# KiCad board Rogelio Pineda 2;12 AM-AMLDC-2044B.kicad_pcb (continued)
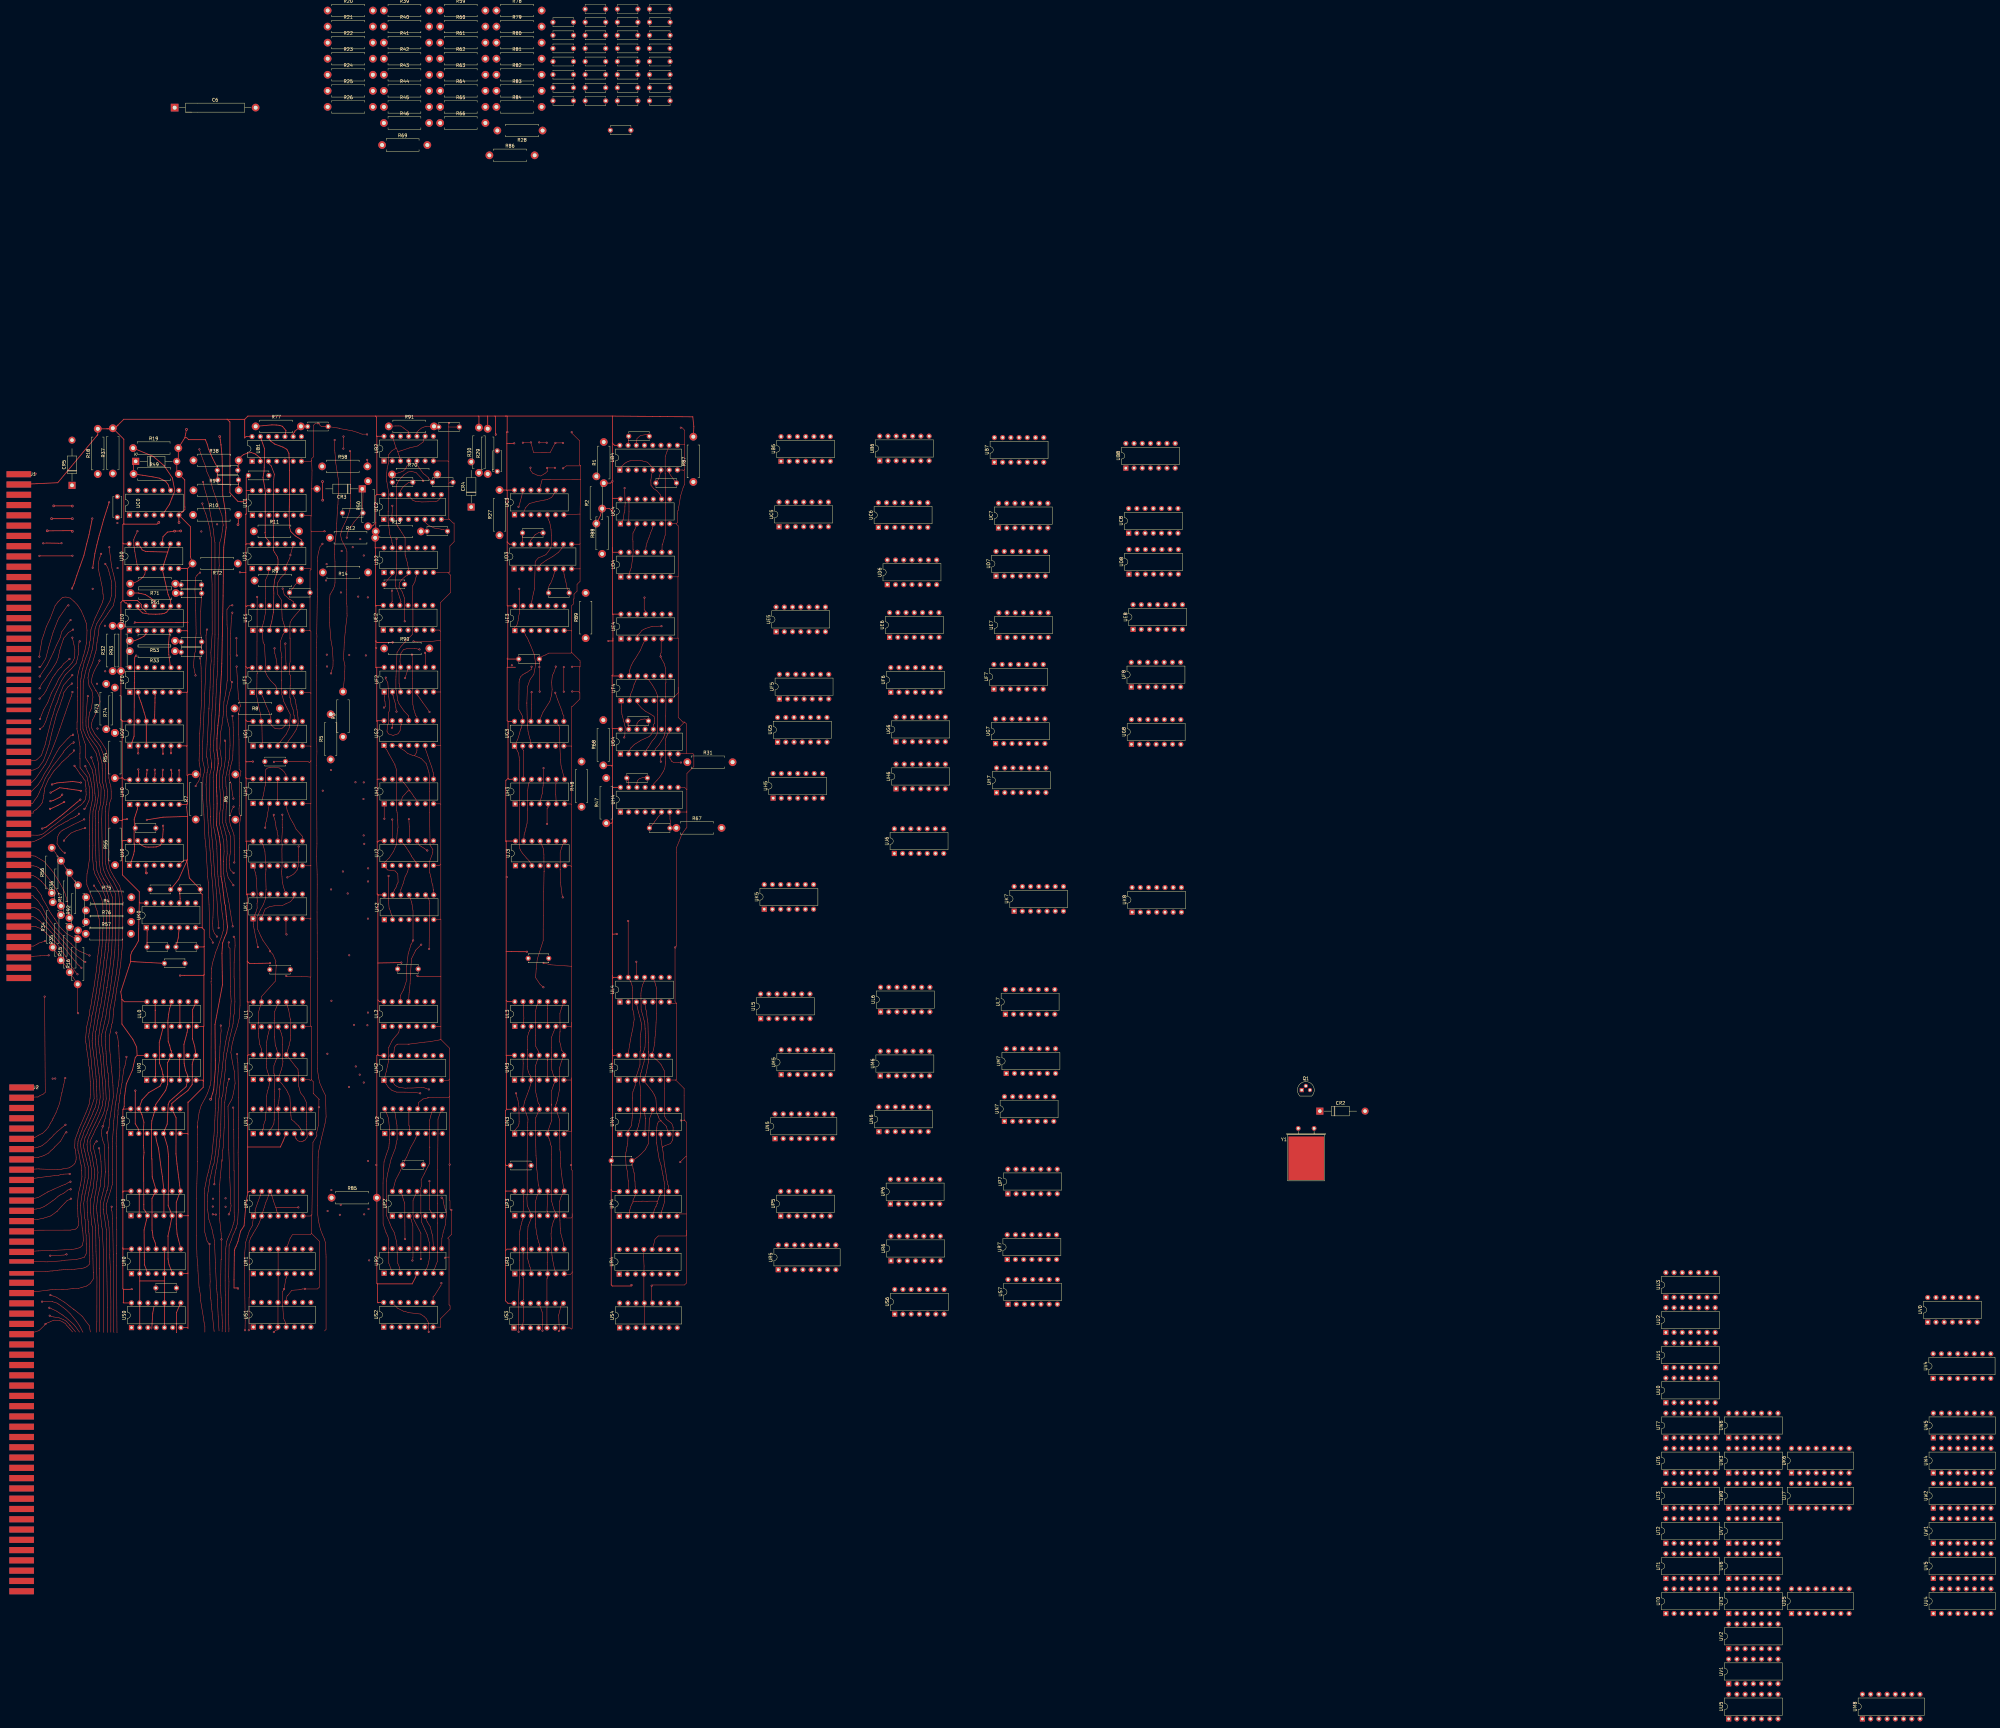
[diagram p0: board, top side]
## Routing (per net, layer and track width the routed paths; a pad name or vN(x,y) marks a point on that pad's centre or on a via; arc(x,y) is an arc through that point) (continued)
B4p1: length 23.8
  Top w0.15: UC4.9 273.81,378.06 272.78,379.27 271.83,379.88 270.96,380.95 270.92,382.53 271.15,384.16 UB4.5 271.5,386.36 269.87,388.08 268.24,388.49 267.64,388.57 264.49,388.51 263.95,388.34 263.52,388.12 262.97,387.82 262.67,387.57 262.52,387.37 261.72,386.71 261.72,386.05 UB4.1 261.34,386.13
B4p6: length 4.4
  Top w0.15: C42.1 273.17,382.68 273.57,383.64 UB4.6
B4p7: length 4.8
  Top w0.15: C42.2 278.1,382.57 276.64,384.61 UB4.7
B4p10: length 33.4
  Top w0.15: UB4.10 275.91,391.4 275.35,389.75 275.32,384.56 275.35,384.54 275.35,380.55 275.37,380.52 275.37,375.11 275.35,365.59 274.98,364.32 274.53,362.73 274.4,362.55 UD4.9
B4p14: length 6.5
  Top w0.15: C41.2 269.67,396.65 267.68,396.3 266.63,395.39 266.43,393.3 UB4.14
B4p15: length 2.9
  Top w0.15: 264.12,396.05 C41.1 264.08,393.49 UB4.15
B15: length 17.4
  Top w0.15: 90.47,181.24 90.44,181.2 v1(90.44,181.16) 90.4,181.16 89.97,180.73 88.65,178.42 86.8,176.6 86.46,176.15 86.04,175.78 85.56,175.39 84.95,174.75 83.5,173.96 81.73,173.41 77.11,173.28 J2.15
B19: length 15.2
  Top w0.15: 91.67,168.29 v1(91.48,168.29) 91.21,168.29 89.67,168.24 88.55,168.04 88,167.87 86.83,167.77 85.48,167.61 84.22,167.45 81.68,167.12 J2.19
B23: length 16.5
  Top w0.15: 84.68,162.72 86.62,163.61 89.15,164.75 90.04,165.05 90.98,165.59 v1(91.71,165.9) 91.71,165.94 ; J2.23 81.65,160.98 82.75,161.59 83.64,162.11 84.82,162.81
B25: length 17.2
  Top w0.15: J2.25 81.17,157.47 82.33,157.71 83.53,158.18 ; 91.9,163.62 91.83,163.62 v1(91.75,163.54) 91.67,163.62 90.88,163.32 89.91,162.55 89.41,162.22 88.75,161.9 88.23,161.65 87.81,161.3 87.05,160.62 86.26,160.04 84.42,158.75 83.51,158.18
B27: length 17.6
  Top w0.15: 87.65,156.82 87.37,156.62 85.6,155.32 83.38,154.63 81.6,154.26 J2.27 ; 87.56,156.75 89.15,158.49 89.91,159.27 90.11,159.49 90.63,160.01 v1(91.83,160.64) 91.9,160.68
C0p5: length 28.2
  Top w0.25: UC0.5 122.28,375.09 123.01,376.97 123.93,379.19 123.18,383.19 120.63,386.99 117.29,389.85 R19.1
C0p9: length 17.6
  Top w0.25: 122.64,379.37 122.17,380.14 121.93,381.04 121.23,381.99 120.78,382.34 119.18,383.14 117.18,383.54 114.03,384.04 R49.1 111.18,387.69 CR1.1
C2p2: length 4.3
  Top w0.15: UC2.2 190.98,371.88 191.04,372.58 191.1,374.49 191.08,374.51 v1(191.08,374.62) 190.97,374.62 190.95,374.64
C2p6: length 8.5
  Top w0.15: C15.2 206.91,367.29 206.27,367.38 203.96,367.76 202.22,368.64 201.61,369.17 201.14,369.63 UC2.6
C2p13: length 12.3
  Top w0.15: UC2.13 196.06,377.68 197.42,376.32 198.21,376 199.05,375.93 200.12,375.8 202.08,375.84 204.42,375.91 205.1,376.14 205.82,376.91 UC2.9
C2p14: length 6.2
  Top w0.15: C29.2 196.15,381.87 194.55,380.58 194.09,380.06 193.52,379.1 UC2.14
C3p5: length 30.9
  Top w0.15: UC3.5 239.21,370.47 239.68,369.58 240.1,367.35 240.19,365.37 240.19,362.79 240.21,362.76 240,361.46 238.51,359.53 236.14,358.5 235.21,357.43 235,348.98 234.67,347.68 234.35,346.12 234.18,345.21 233.99,344.56 UE3.12
C3p9: length 13.8
  Top w0.15: UC3.2 231.9,373.2 232.21,374 233.39,375.31 235.66,375.93 238.92,376.55 240.29,377.23 240.94,378.17 UC3.9
C3p13: length 5.6
  Top w0.15: 230.1,374.28 230.04,374.22 v1(230.04,374.31) 230.13,374.31 230.47,375.46 230.94,377.23 231.06,377.61 UC3.13
C4p1: length 11.5
  Top w0.15: UC4.1 261.53,369.5 262.39,370.44 262.67,372.42 262.89,373.09 262.91,374.5 262.98,375.26 v1(262.81,380.07) 262.81,380.13 262.85,380.17
C4p3: length 16.8
  Top w0.15: UD4.2 264.47,354.46 264.89,355.57 265.22,357.97 265.35,358.71 265.47,361.14 265.39,361.22 265.39,363.58 265.35,364.21 265.39,366.2 265.98,367.29 UC4.3
C4p5: length 9.2
  Top w0.15: UC4.5 271.35,367.5 270.9,366.41 270.39,364.95 269.77,363.39 269.45,362.16 UD4.11
C4p13: length 7.6
  Top w0.15: UC4.13 264.15,375.8 264.17,372.79 UC4.2
C31p2: length 3.2
  Top w0.25: C31.2 143.58,379.46 R94.2
C58p1: length 1.9
  Top w0.25: C58.1 125.48,350.54 R71.1
C58p2: length 20.8
  Top w0.15: C58.2 132.18,347.64 C59.2 132.12,345.88 131.92,341.89 131.92,335.28 C60.2 132.09,331.41 132.09,330.72 C61.2
C59p1: length 1.7
  Top w0.25: C59.1 125.78,347.69 R51.1
D0p2: length 12
  Top w0.2: UD0.2 112.38,355.94 112.1,357.36 111.58,360.44 111.28,362.4 111.25,364.23 111.53,364.98 v1(112.39,366.78) 112.48,366.81
D0p3: length 7.5
  Top w0.2: UD0.3 114.66,353.5 114.15,352.68 113.46,352.05 112.74,351.53 111.37,350.81 110.49,350.91 R71.2
D0p9: length 43
  Top w0.25: UD0.13 113.23,362 113.83,360.99 114.98,360.49 121.73,360.34 ; 121.73,360.34 UD0.9 ; 121.73,360.34 121.28,358.94 120.53,356.59 120.39,355.62 UD0.5 121.88,347.14 122.43,345.89 122.58,345.34 122.64,345.29 122.64,343.66 122.03,342.59 121.43,341.79 120.68,341.39 119.93,341.24 119.18,341.19 118.03,341.14 115.88,341.19 113.93,341.54 112.48,343 112.48,343.66
D0p10: length 8.4
  Top w0.25: UD0.10 120.28,365.09 121.63,366.49 v2(123.83,366.79) 123.93,366.79 v2(125.73,366.84) 125.78,366.84
D1p3: length 40.1
  Top w0.15: UF1.4 155.23,318.66 154.9,319.22 154.84,319.32 154.44,319.68 153.52,320.6 152.53,321.95 151.78,323.53 151.84,325.34 151.94,325.44 151.61,331.66 151.18,332.54 150.89,335.83 UE1.2 151.38,338.83 151.91,341.59 151.88,346 151.84,348.99 151.94,351.65 152.92,353.98 UD1.3
D1p9: length 66.2
  Top w0.15: 155.71,300.72 158.32,304.12 159.34,306.23 159.57,310.21 158.35,312.58 157.96,313.41 157.58,314.15 157.19,315.69 156.92,316.47 156.92,320.57 156.91,320.57 156.92,320.99 156.92,327.82 157,327.9 156.49,330.75 156.49,332.68 157.29,334.79 UE1.5 157.55,338.32 157.06,339.86 156.87,345.46 155.69,347.32 155.46,349.34 155.72,350.88 156.55,352.32 158,353.77 UD1.5 158.6,356.81 159.41,358.48 v1(159.62,359.41) UD1.9
D2p2: length 4.6
  Top w0.15: C44.1 190.07,352.29 191.07,353.29 UD2.2
D2p4: length 56.7
  Top w0.15: 193.52,367.15 192.65,368.41 192.47,368.88 192.42,368.92 192.42,381.16 192.69,381.69 193,382.33 194.02,383.51 194.16,383.64 194.68,384.19 195.92,385.04 197.03,385.23 198.44,384.86 200.75,382.44 v1(200.63,382.27) 200.75,382.25 ; 194.95,338.86 194.93,338.88 v1(194.93,338.94) 194.86,338.94 194.84,338.96 194.84,346.11 194.49,347 194.18,347.97 193.17,349.54 193.27,350.8 193.93,351.79 195.21,352.91 195.88,353.2 195.88,353.75 UD2.4 196.06,354.11 196.06,355.14 195.86,356.3 195.71,357.15 195.36,358.26 195.13,359.34 195.03,359.44 195.03,364.69 194.06,366.28 193.46,367.21
D2p5: length 49.2
  Top w0.15: 195.03,332.56 193.79,331.24 192.53,329.27 192.22,321.79 192.19,321.05 192.19,317.92 192.35,317.48 192.74,314.56 193.16,313.46 194.69,311.25 196.15,309.7 UG2.11 ; 195.03,332.56 197.23,334.84 197.44,337.42 197.44,343.12 197.39,343.75 197.41,349.91 198.18,351.42 ; 195.03,332.56 195,332.43 ; 198.07,351.39 198.52,352.97 UD2.5
D3p6: length 7.9
  Top w0.15: UD3.6 240.89,352.96 239.96,350.61 239.61,350.19 239.14,348.87 C27.1
D3p7: length 7.7
  Top w0.15: C27.2 245.01,349.4 244.68,351.08 244.31,352.59 244.12,353.43 UD3.7
D3p10: length 11.2
  Top w0.15: UD3.10 243.42,361.46 242.38,360.25 240.63,358.97 238.65,357.83 236.88,356.57 UD3.4
D3p14: length 6.1
  Top w0.15: C25.2 236.28,366.33 235.12,365.64 ; UD3.14 233.76,363.93 235.2,365.69
D3p15: length 3.5
  Top w0.15: UD3.15 231.22,363.77 231.27,364.14 C25.1
DCHI: length 244.4
  Top w0.15: v1(102.46,356.67) 103.17,355.61 103.57,354.38 104.39,351.14 104.41,349.86 104.45,349.34 104.42,349.04 104.39,347.05 103.93,345.25 101.37,340.73 99.86,338.32 99.33,336.84 98.88,333.56 98.57,330.95 98.5,330.57 98.37,330.02 97.76,327.92 97.44,326.84 97,325.5 96.45,323.74 95.65,320.22 95.53,307.8 95.57,305.68 96.66,303.08 96.86,302.85 97.07,302.44 99.62,298.23 100.16,296.04 100.36,294.88 100.68,289.23 101.17,287.81 101.06,283.03 100.43,280.16 100.43,276.86 100.37,276.8 100.54,266.61 100.57,264.87 101.05,261.35 102.04,259.34 101.96,259.45 103.22,257.57 104.58,253.85 104.72,253.6 104.72,251.1 ; 104.72,251.19 104.75,248.43 104.74,248.06 104.59,241.64 104.45,237.69 104.17,234.7 104.01,233.21 103.73,230.82 103.62,230.31 103.27,227.91 102.96,225.87 102.98,225.96 102.79,224.7 102.52,222.9 101.97,219.49 101.76,218.5 101.45,216.6 101.16,215.5 100.95,214.52 100.49,211.07 100.37,209.12 100.43,208.4 100.7,205.88 100.96,204.57 101.18,202.05 101.3,199.82 101.65,196.38 101.79,193.24 101.79,191.18 101.6,190.49 101.53,189.37 100.77,187.27 100.04,185.44 99.48,184.23 98.53,182.32 97.48,180.1 96.91,178.46 96.82,177.35 96.98,175.56 97.62,173.14 97.74,172.4 97.82,171.81 97.99,170.97 98.16,169.86 98.11,166.91 97.94,165.52 97.34,162.44 96.82,159.83 96.95,156.4 96.98,156.37 97.11,154.11 97.18,153.65 97.38,151.15 97.36,150.45 97.44,149.77 97.61,145.81 97.58,143.17 97.68,141.35 97.5,140.36 96.75,139.65 95.9,139.29 95.1,139.11 92.86,138.85 92.12,138.81 90.79,138.69 90.13,138.7 89.53,138.71 89.02,138.66 88.23,138.63 87.7,138.53 86.3,138.36 86.26,138.33 85.68,138.34 84.58,138.21 83.99,138.17 77.18,138.17 J2.37
DCHO: length 238.1
  Top w0.15: 102.16,234.93 102.44,237.59 102.54,238.59 102.66,239.67 102.78,241.3 102.8,241.73 102.8,247.14 102.78,247.7 102.74,248.75 102.75,252.61 102.49,253.88 101.17,257.18 100.77,258.07 100.4,258.66 100,259.53 99.24,260.93 98.9,262.3 98.86,262.49 98.53,266.01 98.64,269.62 98.53,273.78 98.53,274.37 98.56,274.95 98.65,280.24 98.72,280.67 99.07,281.92 99.22,282.29 99.37,283.87 99.37,284.66 99.24,285.92 ; 99.24,285.82 99.08,288.62 98.98,289.3 98.8,291.35 98.57,292.25 98.39,293.15 97.36,295.23 96.86,295.95 96.26,297.02 96.29,300.95 96.07,301.57 95.5,303.26 95.14,304.59 94.78,305.62 94.8,320.45 94.95,321.25 95.22,323.34 95.53,324.47 95.91,326.19 97.02,329.27 97.43,330.93 97.56,331.59 97.56,332.42 97.78,332.99 97.85,334.31 98.04,336.45 99.33,340.01 99.73,340.79 100.59,342.64 100.89,343.33 101.65,344.91 101.71,345.38 101.89,345.94 101.79,347.22 101.71,347.63 101.65,348.82 101.25,350.7 100.76,353.1 100.62,353.55 100.4,354.85 100.28,356.7 100.66,358.39 100.83,358.81 101.18,359.76 v1(101.16,359.78) 101.18,359.81 101.18,359.84 ; J2.33 81.82,144.54 85.97,144.67 89.74,144.85 92.01,144.95 93.35,145.17 93.65,145.27 94.64,145.55 95.38,146.25 95.69,147.79 95.51,150.76 95.32,151.59 94.89,156.53 94.8,158.51 95.27,162.04 95.69,164.03 96,165.92 96.21,167.12 96.22,170.28 95.06,175.42 94.78,177.51 94.96,178.59 95.55,180.07 95.94,181.49 96.63,182.67 97.15,183.82 97.8,185.29 98.44,186.7 98.7,187.48 98.99,188.17 99.35,188.88 99.9,191.2 99.86,192.15 99.87,192.66 99.79,194.18 99.79,195.2 99.78,195.36 99.72,196.72 99.63,197.54 99.59,198.38 99.02,204.11 98.62,206.88 98.55,207.43 98.42,208.76 98.39,209.41 98.47,210.19 98.48,210.99 99.55,218.06 99.96,220.39 100.37,222.6 100.8,225.44 101.23,228.25 101.5,229.96 101.64,230.66 102.05,234.26 102.18,235.12
DISK0 ACT: length 35.1
  Top w0.15: 92.43,317.24 v1(92.31,317.12) 91.94,315.77 91.15,313.64 90.04,310.42 89.35,308.45 88.43,305.76 87.11,302.07 86.43,300.34 85.52,298.06 83.99,294.83 83.72,294.48 83.29,293.79 80.92,290.37 79.68,289.12 J1.61
DISK1: length 28.5
  Top w0.15: 87.68,242.3 86.32,243.66 86.15,243.95 85.8,244.4 84.51,245.96 84.18,246.33 83.89,246.73 83.53,247.41 82.93,248.45 82.42,249.26 81.97,249.77 81.82,249.89 80.66,250.57 76.02,250.75 J1.85 ; 87.6,242.38 88.87,240.8 89.24,240.45 89.85,239.76 90.23,239.28 91.07,238.33 91.69,237.61 92.08,237.22 93.64,235.67 95.02,234.55 95.51,234.12 v1(96.28,233.73) 96.39,233.84
DISK2: length 26.7
  Top w0.15: R16.2 92.22,241.52 90.43,242.55 89.07,243.91 88.27,244.78 87.54,246.01 86.7,247.29 ; 83.84,252.04 83.06,253.29 82.71,254.32 81.91,255.4 81.58,255.8 81.11,256.55 80.23,257.12 J1.81 ; 83.89,251.94 84.37,251.11 85.14,249.61 85.92,248.36 86.95,246.94
DISK NEW REQ: length 34.7
  Top w0.15: J1.59 75.78,292.26 80.35,293.05 81.82,293.76 83.35,295.87 84.24,298.25 85.11,300.93 85.86,304.24 86.16,305.42 87.42,310.22 88.34,312.61 88.97,314.63 89.3,315.4 89.69,316.97 90.86,318.62 v1(92.13,319.73) 92.13,319.79
DISK PRES REQ: length 34.5
  Top w0.15: J1.57 79.94,295.9 80.52,295.92 81.28,296.16 82.74,297.58 83.21,298.94 83.87,300.8 84.35,302.84 85.9,308.9 86.35,310.26 86.8,311.81 87.14,312.91 87.56,313.76 88.03,315.15 88.35,316.16 89.54,319.17 90.15,319.87 90.43,320.2 91.14,321.05 91.4,321.3 92.26,322.29 v1(92.26,322.31) 92.29,322.31 92.3,322.32
DISK WR DATA: length 62.8
  Top w0.15: 92.56,304.06 92.56,304 v1(92.5,303.94) 92.56,303.88 92.56,303.75 92.16,303.72 91.64,303.53 91.25,303.06 90.92,302.81 88.42,300.08 88.09,299.56 87.52,298.63 86.57,296.95 85.1,294.13 83.69,291.97 82.83,290.24 81.68,288.45 79.18,285.94 J1.63 ; 95.8,283.2 95.04,282.31 94.82,282.15 94.28,281.78 91.67,279.81 90.86,279.25 89.75,278.42 87.67,276.76 85.9,275.45 85.42,275.1 83.39,273.41 82.62,273.06 82.11,272.95 81.39,272.89 76,273 J1.71 ; 95.7,283.1 96.05,283.45 96.25,283.88 96.55,285.36 96.5,286.48 96.47,286.92 96.53,287.26 96.44,287.96 96.41,288.39 96.23,289.74 95.82,290.25 95.46,290.86 95.12,291.3 94.69,291.77 94.57,291.99 93.58,293.47 93.23,293.94 v1(92.95,294.32) 92.88,294.25
DSK SEL: length 28.8
  Top w0.15: J1.67 75.89,279.72 80.18,279.72 80.18,280.22 81.19,280.89 ; 92.76,299.19 v1(92.79,299.07) 92.47,298.55 91.89,298.01 91.7,297.95 91.51,297.8 91.12,297.31 89.64,295.95 89.07,295.48 88.23,294.48 86.64,292.8 85.78,291.52 85.37,290.8 84.95,290.27 83.66,287.29 83.65,286.55 83.53,285.7 83.46,285.11 ; 81.15,280.84 82.36,282.06 82.87,282.76 83.05,283.09 83.3,284.28 83.47,285.2
DSK ~{RST}: length 28.1
  Top w0.15: 91,250.29 90.69,252.34 90.38,253.71 89.94,255.26 88.7,257.65 88.3,258.38 87.6,259.45 86.84,260.79 86.66,261.04 85.78,262.2 84.62,263.55 83.61,264.77 80.79,266.43 80.28,266.5 J1.75 ; 90.97,250.49 91.05,249.67 91.11,249.24 R17.1
E0p3: length 6.7
  Top w0.25: R53.2 111.51,332.96 113.44,333.8 114.43,334.36 115.02,334.95 UE0.3
E0p6: length 11.6
  Top w0.25: UF0.9 122.47,325.61 122.08,328.64 122,330.39 121.99,331.83 122.29,335.69 122.64,336.04
E0p11: length 9.6
  Top w0.25: 117.56,343.66 117.56,345.35 117.22,345.54 116.34,346.26 114.78,347.23 112.82,347.65 112.78,347.69 R51.2
E1p8: length 37.5
  Top w0.15: UG1.9 160.79,309.8 160.74,309.85 160.45,311.61 159.84,313.21 159.55,315.21 159.46,315.31 159.46,317.52 159.53,317.59 159.53,319.02 159.62,319.11 159.62,322.3 159.42,322.5 159.42,325.86 159.53,326.46 159.53,333.69 159.46,333.76 159.49,333.78 159.49,336.25 159.46,337.63 159.53,338.58 160.06,339.5 160.76,340.43 162.92,342.89 162.92,343.4 UE1.8
E1p9: length 6.9
  Top w0.15: UE1.9 160.59,343.91 160.59,344.94 159.57,345.7 159.28,345.77 158.39,346.62 157.73,347.12 v1(157.24,349.06) 157.2,349.02
E2p12: length 21.2
  Top w0.15: UE2.12 193.4,344.61 193.78,344.99 193.32,346.41 192.76,348.22 192.01,349.9 191.99,351.57 192.37,354.06 192.35,356.06 192.39,356.62 v1(192.39,364.43) 192.44,364.52
E2p13: length 4.7
  Top w0.15: UE2.13 190.86,344.82 191.06,345.02 191.02,345.06 v1(190.98,348.43) 191.02,348.47
E3p1: length 13.4
  Top w0.15: 230.38,348.95 v1(230.27,348.98) 230.3,341.44 229.99,339.81 229.92,339.09 229.48,337.58 228.91,337.2 UE3.1
E3p2: length 37.5
  Top w0.15: UG3.3 233.64,302.43 233.43,303.1 233,304.93 232.79,306.85 232.76,307.23 232.64,312.97 232.64,313.83 ; UE3.2 231.93,335.62 232.16,334.71 232.81,333.71 233.19,332.85 233.85,331.36 234.96,328.57 235.35,325.61 234.78,322.59 233.63,321 232.8,318.67 232.62,313.52
E4p3: length 9.5
  Top w0.15: UE4.3 266.76,334.71 267.47,335.25 268.15,336.12 268.66,336.44 269.34,336.75 271.27,337.37 273.84,337.45 v1(274.2,337.44) 274.22,337.46
E4p4: length 12.7
  Top w0.15: UF4.13 264.27,323.48 264.35,323.83 264.8,325.18 265.49,326.55 266.2,327.56 267.65,329.97 268.48,331.92 UE4.4
E4p6: length 37.1
  Top w0.15: UE4.6 274.1,333.26 274.1,329.31 273.99,328.94 273.95,328.86 273.95,328.11 v1(273.93,328.08) 273.95,328.06 274.23,327.36 275,325.96 275.43,324.5 275.51,322.79 275.58,320.02 275.43,319.77 275.45,316.72 275.58,314.43 275.51,309.95 275.45,309.43 275.45,306.56 275.4,305.24 275.32,304.8 275.09,304 275.04,303.58 274.79,302.94 273.51,300.94 272.37,299.54 UG4.5
E4p11: length 5.6
  Top w0.15: UE4.11 269.3,342.06 268.86,342.5 268.86,346.27 v1(268.95,346.27) 268.95,346.36 269.03,346.44
F0p2: length 17
  Top w0.25: UG0.3 UG0.12 114.97,308.25 114.94,309.18 114.44,310.88 113.5,313.89 112.92,315.41 UF0.2
F0p4: length 9
  Top w0.25: UG0.11 117.8,313.77 117.8,315.11 117.83,315.48 117.84,316.05 UF0.4
F1p2: length 17.3
  Top w0.15: UF1.2 150.98,315.83 151.6,314.32 152.2,312.76 152.97,311.01 153.6,309.06 UG1.12 153.77,306.83 154.9,305.8 156.27,305.71 157.03,305.91 157.65,306.42 158.03,306.85 158.26,308.04 UG1.10
F1p6: length 17.8
  Top w0.15: UF1.6 160.54,316.09 161.14,314.71 161.36,313.15 161.49,312.51 161.65,311.63 161.75,310.91 161.97,309.09 161.98,308.66 161.98,307.33 162.01,307.3 161.46,305.61 160.99,304.79 159.98,303.26 159.42,302.57 158.56,301.33 UG1.5
F1p10: length 7.9
  Top w0.15: UF1.10 158.26,324.87 158.26,325.91 157.94,331.78 158.15,332.09 v1(158.07,332.09) 158.07,332.17 158.11,332.13
F1p11: length 6.1
  Top w0.15: 154.75,330.64 v1(154.71,330.6) 154.79,329.09 155.18,327.54 155.46,325.88 UF1.11
F2p1: length 5.2
  Top w0.15: UF2.1 188.64,315.88 188.75,315.64 188.75,314.38 188.83,314.17 188.93,312.62 188.64,312.33 v1(188.51,312.33) 188.51,312.2
F2p2: length 6.5
  Top w0.15: UF2.2 191.12,316.29 191.32,316.09 191.32,315.96 191.61,314.85 192.08,313.33 192.16,312.43 192.35,311.09 v1(192.37,311.07) 192.35,311.04 192.35,310.91
F2p3: length 18.7
  Top w0.15: UF2.3 193.35,318.95 193.16,319.82 193.16,324.25 UF2.12 193.45,326.62 193.5,327.62 193.66,328.38 193.66,328.38 193.77,329.14 194.5,330.17 195.5,330.48 198.02,330.59 v1(199.47,330.27) 199.49,330.3
F2p5: length 7.6
  Top w0.15: UF2.5 198.74,316.18 199.05,315.88 199.73,314.96 200.41,313.98 202.54,311.04 202.54,310.99 v1(202.57,310.96) 202.54,310.94 202.54,310.83
F2p9: length 4.8
  Top w0.15: 201.23,329.46 201.28,329.4 201.28,329.33 v1(201.17,329.22) 201.28,329.11 UF2.9
F2p11: length 3.7
  Top w0.15: 195.08,321.37 v1(195.03,321.39) 195.76,323.73 195.76,324.31 UF2.11
F4p1: length 11.5
  Top w0.15: v1(262.7,303.09) 262.89,303.7 262.98,306.36 262.58,307.95 262.17,309.48 261.98,310.24 261.81,312 261.79,312.63 UF4.1
F4p3: length 23
  Top w0.15: UF4.3 266.81,313.56 267.68,312.54 268.02,312.17 268.61,311.68 269.21,311.19 270.65,310.37 271.62,309.77 271.97,309.42 272.11,308.89 272.1,307.47 271.69,307.06 UG4.12 271.15,304.15 270.34,303.31 267.85,302.21 267.36,301.87 265.82,300.93 265.35,300.43 264.78,299.87 264.07,298.67 UG4.2
F4p11: length 26.4
  Top w0.15: UG4.4 269.59,299.34 270.1,300.05 270.28,300.28 270.83,301.23 271.34,302.02 272.11,302.87 272.87,304.18 272.94,306.51 272.97,306.91 273.05,310.13 273.03,311.49 272.99,315.46 272.95,316.04 272.42,317.48 271.43,319.17 270.21,320.93 269.35,321.43 UF4.11
F4p12: length 8.1
  Top w0.15: UF4.12 266.24,320.5 265.74,319.46 265.28,317.82 264.61,316.34 UF4.2
G0p1: length 28.6
  Top w0.25: UG0.1 110.49,300.93 111.11,302.78 111.35,303.46 111.44,320.07 111.48,321.22 111.45,321.85 111.46,325.86 111.49,326.3 111.44,326.69 111.59,327.95 111.98,328.27 v1(111.98,328.36) 112.07,328.36 111.98,328.27
G0p2: length 2.5
  Top w0.25: 112.64,298.07 112.63,298.08 v1(112.63,298.15) 112.57,298.15 112.58,298.13 UG0.2
G0p5: length 2.6
  Top w0.25: 120.27,297.96 120.2,298.03 v1(120.27,298.07) UG0.5
G0p6: length 2.4
  Top w0.25: UG0.6 122.74,298.26 122.74,298.26 v1(122.74,298.2) 122.79,298.2 122.88,298.12
G1p2: length 46.6
  Top w0.15: 149.24,346.65 149.3,346.6 v1(149.35,346.49) 149.27,323.43 149.47,322.91 149.3,322.73 149.24,315.79 149.47,314.32 149.9,312.22 150.41,310.23 UG1.13 150.82,306.96 150.92,301.29 150.63,301 UG1.2
G2p1: length 51.7
  Top w0.15: UK2.13 191.81,256.18 191.97,256.34 192.35,256.99 192.52,257.66 192.88,258.38 192.78,260.93 191.95,261.85 189.7,262.15 188.58,263.19 UJ2.1 188.58,264.37 190.12,265.88 191.44,267.86 192.34,269.95 192.64,274.42 192.85,275.32 192.74,277.31 192.78,277.84 192.55,279.94 192.45,280.54 192.45,292.92 191.9,294.49 191.9,294.68 190.04,297.99 189.35,299.3 188.53,300.12 UG2.1
G2p2: length 57.8
  Top w0.15: 197.93,297.45 199.49,296.83 200.09,296.52 201.57,294.96 202.4,292.25 202.64,289.89 202.61,287.37 202.64,286.43 202.64,279.91 202.58,279.86 202.74,269.8 203.6,268.48 203.58,267.46 202.61,264.86 202.61,261.43 202.94,260.22 203.39,257.86 203.61,257.29 203.72,255.99 203.81,255.89 ; 197.93,297.45 197.23,297.58 195.78,298.18 194.84,299.01 193.61,299.75 UG2.3 UG2.2 ; 197.93,297.45 198.48,298.31 198.69,299.04 UG2.5 ; 203.81,255.89 UK2.8 ; 203.81,255.89 203.8,256.15
G2p6: length 10.8
  Top w0.15: UH2.8 203.86,291.53 203.7,292.23 203.23,293.99 202.53,295.92 201.99,297.61 201.36,299.37 UG2.6
G2p10: length 20.9
  Top w0.15: UG2.10 198.69,309.48 198.26,309.91 198.1,310.52 197.76,311.65 197.42,313.33 197.29,321.18 197.31,326.59 v1(197.15,328.67) 197.23,328.56
G2p12: length 25.2
  Top w0.15: UG2.12 193.84,307.18 193.69,306.42 193.48,305.16 192.85,304.21 191.32,303.71 189.88,304.19 189.43,305 189.64,306.79 189.88,307.52 189.98,310.88 190.11,311.23 190.32,312.38 189.98,315.82 189.69,320 189.06,321.13 v1(189.06,321.55) 189.06,321.52
G2p13: length 2.4
  Top w0.15: 191.03,306.08 v1(190.98,306.08) 190.98,306.02 191.03,306.08 ; 191.03,306.08 191.07,306.12 UG2.13
G3p2: length 10.4
  Top w0.15: UG3.2 231.35,299.38 231.6,299.13 231.55,299.08 UH3.13
G3p8: length 9.5
  Top w0.15: 241.44,316.99 v1(241.4,316.88) 242.08,314.89 243.47,311.24 243.62,310.38 243.96,309.93 244.05,309.84 UG3.8
G3p9: length 18.4
  Top w0.15: UH3.8 243.19,294.31 243.01,296.31 242.83,300.23 242.72,305.89 242.7,306.24 242.4,306.85 UG3.9
G3p11: length 18.3
  Top w0.15: UG3.11 237.61,310.91 239.71,314.21 240.28,316.2 240.43,317.93 240.28,320.11 240.5,322.25 240.92,323 241.59,324.92 v1(241.55,324.96) 241.59,325 241.59,325.15
G3p12: length 9.5
  Top w0.15: UG3.12 234.08,312.03 234.15,313.31 233.97,317.1 233.93,317.07 v1(234.12,317.07) 234.12,317.25 234.08,317.22
H0p2: length 19.4
  Top w0.25: UH0.2 112.37,280.94 111.38,277.85 111.5,275.05 111.35,274.91 111.35,270.44 111.51,269.41 111.39,267.96 111.22,267 110.35,264.43 109.94,264.22 UJ0.1